# Altium PCB 10515.0500_Display_System（6拼版）_V1.0_20200907.PcbDoc (part 7 of 13)
Units mm, origin at the board's own origin, x right, y up, seen from the top; angles counter-clockwise.
Board outline 157 x 228.4 mm, 4 copper layers (Top Layer, Mid-Layer 1, Mid-Layer 2, Bottom Layer); 516 components, 0 nets, 1971 pads, 894 vias.
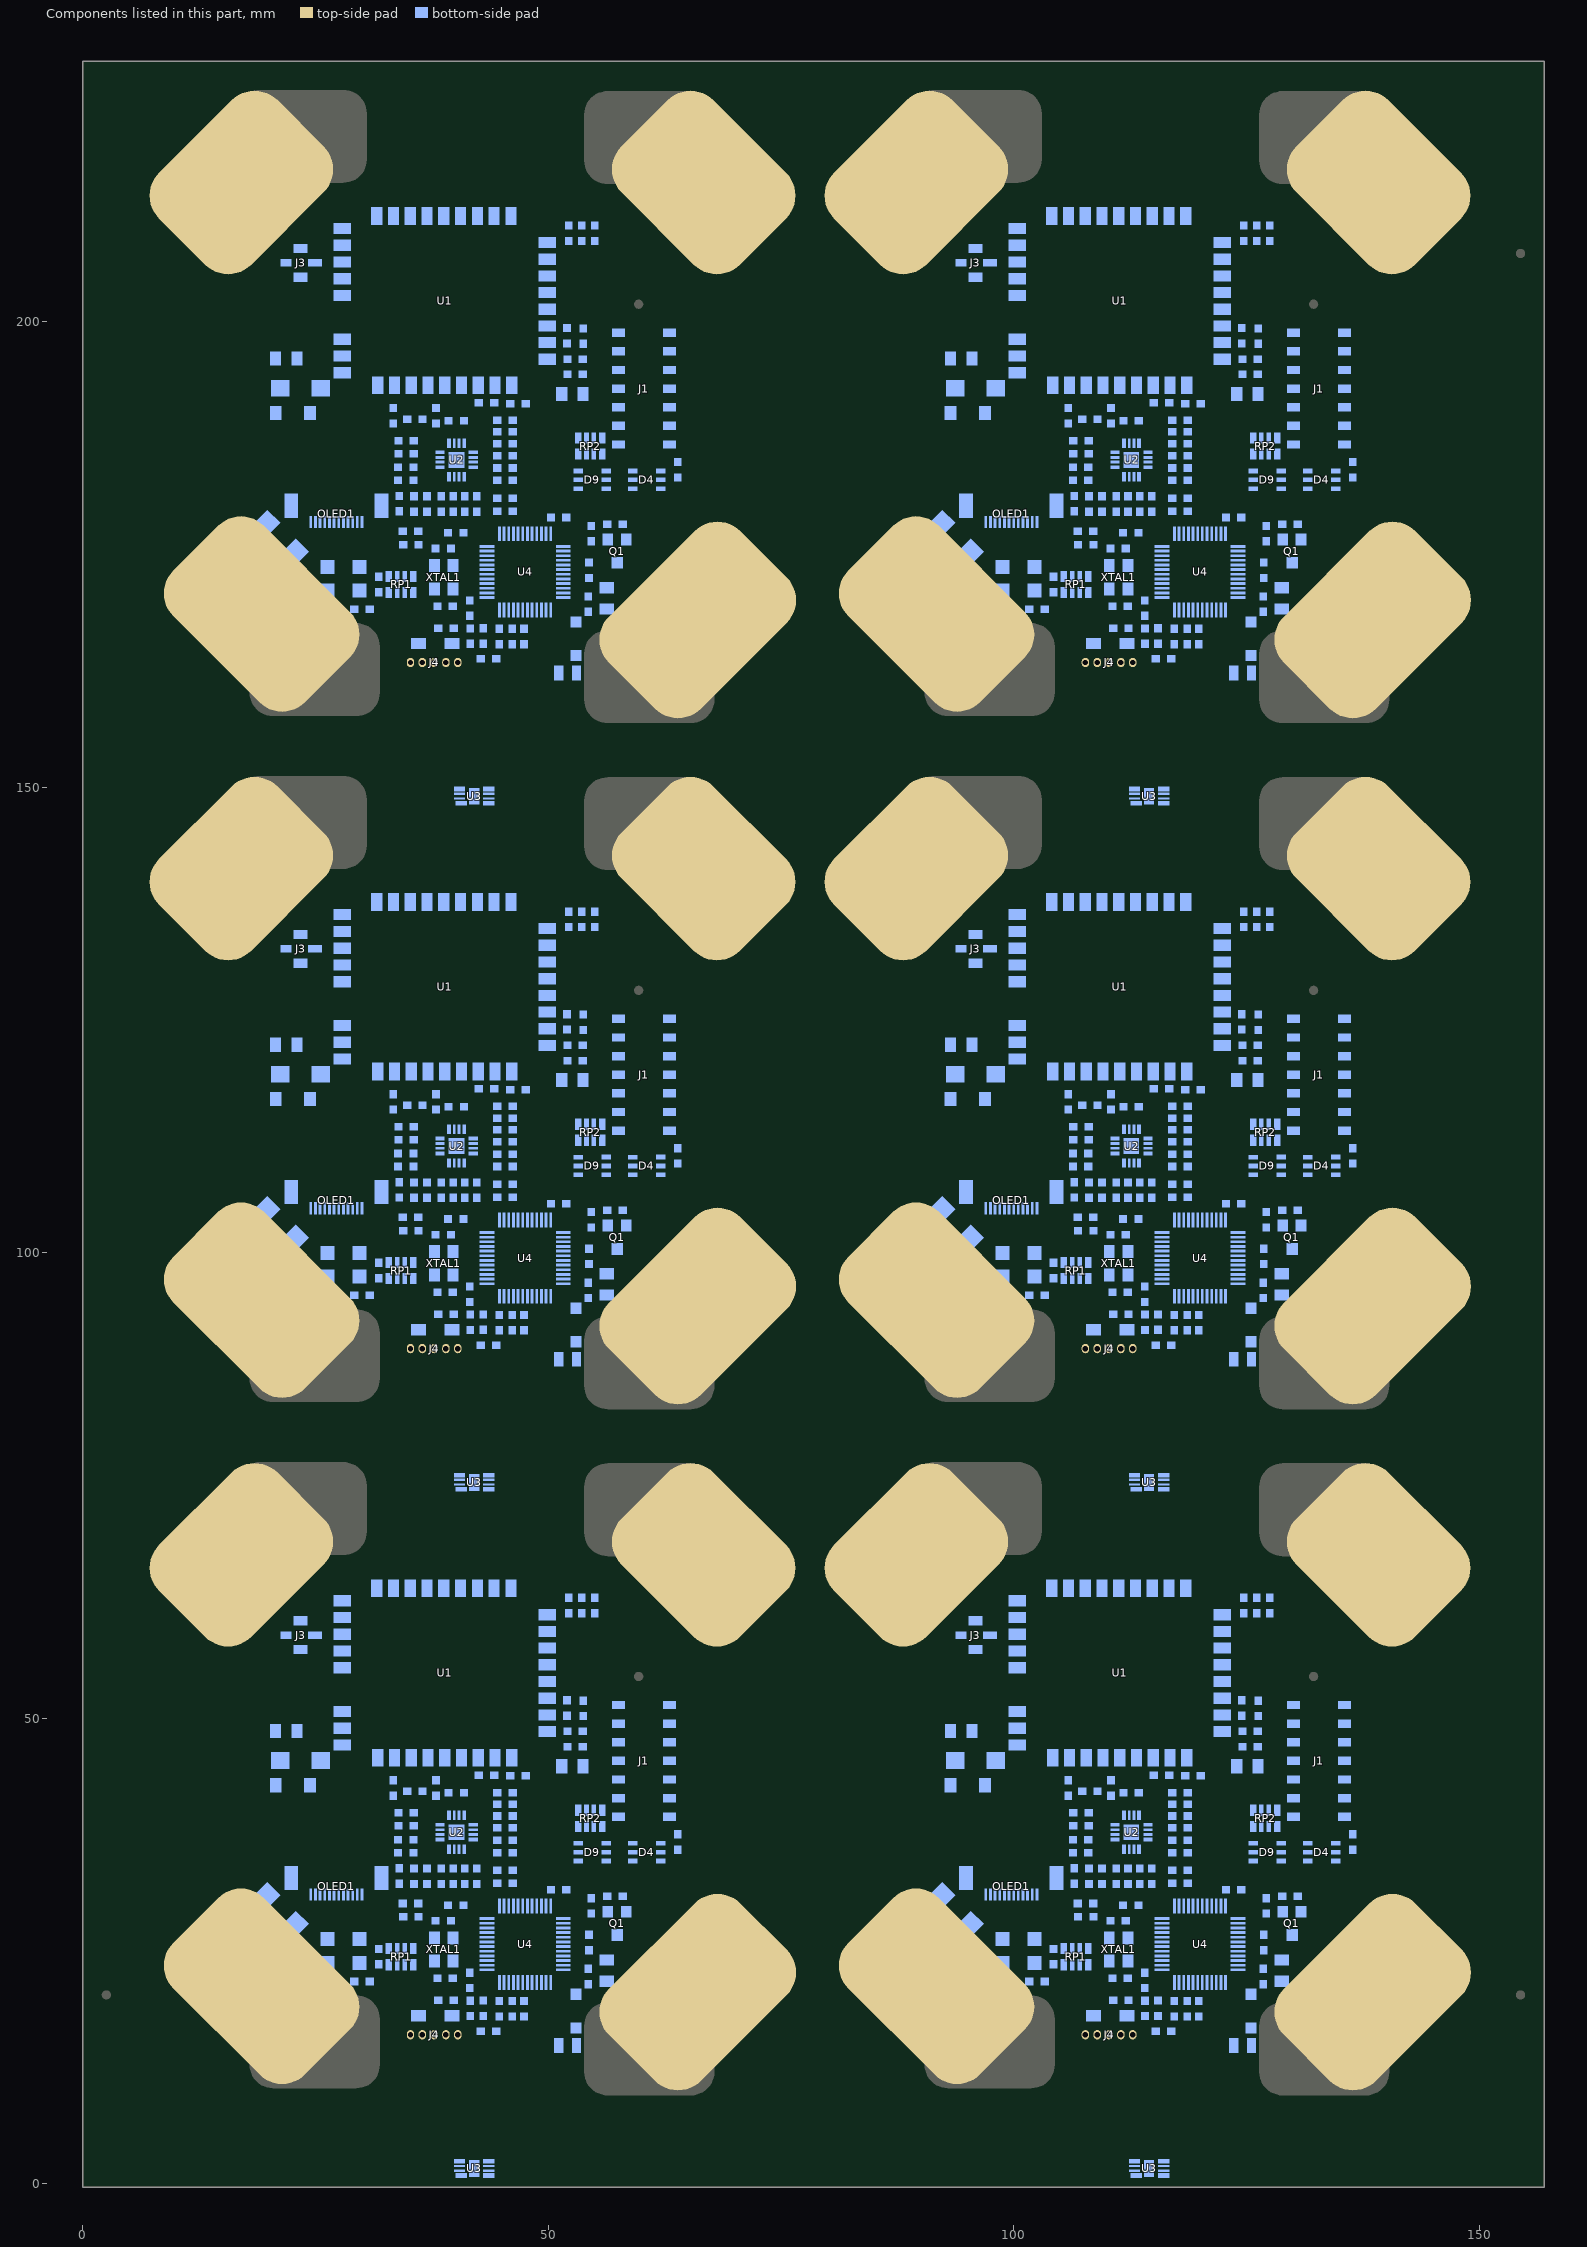
[diagram p9: the components of this part, seen from the top]

## Via types
v1: diameter 0.7, hole 0.4, Top Layer to Bottom Layer, tented both sides, 894 vias

## Nets (pads, with @x,y where several pads share a name; then routed paths per layer and width w, separated by ;. In a path a pad name is that pad's centre, name@x,y a point inside that pad or via, vN(x,y) a via of type N, cw(c..) or ccw(c..) an arc to the next point about the centre after c; other vN are vias at no path point) (continued)
copper on no net: (continued)
  Bottom Layer w0.25: v1(46.391,15.367) 41.369,15.367 41.126,15.124 36.728,15.124 36.485,15.367 ; v1(46.391,89.067) 41.369,89.067 41.126,88.824 36.728,88.824 36.485,89.067 ; v1(46.391,162.767) 41.369,162.767 41.126,162.524 36.728,162.524 36.485,162.767 ; 46.438,39.298 cw(c46.918,38.818) 46.918,39.497 cw(c46.918,40.176) 46.438,39.696 ; 46.438,40.568 cw(c46.918,40.088) 46.918,40.767 cw(c46.918,41.446) 46.438,40.966 ; 46.438,42.213 ccw(c47.476,43.251) 47.476,41.783 ; 46.438,112.998 cw(c46.918,112.518) 46.918,113.197 cw(c46.918,113.876) 46.438,113.396 ; 46.438,114.268 cw(c46.918,113.788) 46.918,114.467 cw(c46.918,115.146) 46.438,114.666 ; 46.438,115.913 ccw(c47.476,116.951) 47.476,115.483 ; 46.438,186.698 cw(c46.918,186.218) 46.918,186.897 cw(c46.918,187.576) 46.438,187.096 ; 46.438,187.968 cw(c46.918,187.488) 46.918,188.167 cw(c46.918,188.846) 46.438,188.366 ; 46.438,189.613 ccw(c47.476,190.651) 47.476,189.183 ; 46.772,21.625 46.772,20.701 47.407,20.066 47.407,19.621 ; 46.772,95.325 46.772,94.401 47.407,93.766 47.407,93.321 ; 46.772,169.025 46.772,168.101 47.407,167.466 47.407,167.021 ; 47.066,20.407 cw(c46.319,19.66) 47.376,19.66 ; 47.066,94.107 cw(c46.319,93.36) 47.376,93.36 ; 47.066,167.807 cw(c46.319,167.06) 47.376,167.06 ; v1@47.361,31.449 cw(c46.977,31.065) 47.52,31.065 ; v1@47.361,105.149 cw(c46.977,104.765) 47.52,104.765 ; v1@47.361,178.849 cw(c46.977,178.465) 47.52,178.465 ; 47.437,43.616 cw(c46.624,42.803) v1@47.774,42.803 ; 47.437,117.316 cw(c46.624,116.503) v1@47.774,116.503 ; 47.437,191.016 cw(c46.624,190.203) v1@47.774,190.203 ; v1(47.52,31.608) 47.52,31.065 ; v1(47.52,105.308) 47.52,104.765 ; v1(47.52,179.008) 47.52,178.465 ; 47.598,43.815 47.774,43.639 v1(47.774,42.545) ; 47.598,117.515 47.774,117.339 v1(47.774,116.245) ; 47.598,191.215 47.774,191.039 v1(47.774,189.945) ; v1@47.615,42.704 ccw(c47.23,43.088) 47.774,43.088 ccw(c48.317,43.088) v1@47.933,42.704 ; 47.614,43.793 cw(c47.227,43.407) 47.774,43.407 ; v1@47.615,116.404 ccw(c47.23,116.788) 47.774,116.788 ccw(c48.317,116.788) v1@47.933,116.404 ; 47.614,117.493 cw(c47.227,117.107) 47.774,117.107 ; v1@47.615,190.104 ccw(c47.23,190.488) 47.774,190.488 ccw(c48.317,190.488) v1@47.933,190.104 ; 47.614,191.193 cw(c47.227,190.807) 47.774,190.807 ; v1@47.679,31.449 ccw(c48.063,31.065) 47.52,31.065 ; v1@47.679,105.149 ccw(c48.063,104.765) 47.52,104.765 ; v1@47.679,178.849 ccw(c48.063,178.465) 47.52,178.465 ; 47.774,29.823 47.774,30.811 47.52,31.065 ; 47.774,103.523 47.774,104.511 47.52,104.765 ; 47.774,177.223 47.774,178.211 47.52,178.465 ; v1@48.699,23.473 51.624,23.473 53.93,23.473 54.315,23.089 54.494,23.089 v1(55.281,23.876) ; v1@48.699,97.173 51.624,97.173 53.93,97.173 54.315,96.789 54.494,96.789 v1(55.281,97.576) ; v1@48.699,170.873 51.624,170.873 53.93,170.873 54.315,170.489 54.494,170.489 v1(55.281,171.276) ; v1@48.836,23.336 cw(c49.168,23.004) 49.168,23.473 ; v1@48.836,23.654 ccw(c49.273,24.09) 49.273,23.473 ; v1@48.836,97.036 cw(c49.168,96.704) 49.168,97.173 ; v1@48.836,97.354 ccw(c49.273,97.79) 49.273,97.173 ; v1@48.836,170.736 cw(c49.168,170.404) 49.168,170.873 ; v1@48.836,171.054 ccw(c49.273,171.49) 49.273,170.873 ; 49.774,29.823 49.774,31.171 50.303,31.7 ; 49.774,103.523 49.774,104.871 50.303,105.4 ; 49.774,177.223 49.774,178.571 50.303,179.1 ; 49.898,52.15 50.13,51.918 ; 49.898,125.85 50.13,125.618 ; 49.898,199.55 50.13,199.318 ; 50.274,17.83 ccw(c51.267,17.83) v1@50.565,17.127 ; 50.274,18.433 ccw(c51.871,18.433) v1@50.741,17.304 ; 50.274,21.623 50.274,17.454 v1(50.582,17.145) ; 50.274,29.823 50.274,30.425 50.455,30.607 51.344,30.607 51.954,31.217 51.954,31.7 ; 50.274,91.53 ccw(c51.267,91.53) v1@50.565,90.827 ; 50.274,92.133 ccw(c51.871,92.133) v1@50.741,91.004 ; 50.274,95.323 50.274,91.154 v1(50.582,90.845) ; 50.274,103.523 50.274,104.125 50.455,104.307 51.344,104.307 51.954,104.917 51.954,105.4 ; 50.274,165.23 ccw(c51.267,165.23) v1@50.565,164.527 ; 50.274,165.833 ccw(c51.871,165.833) v1@50.741,164.704 ; 50.274,169.023 50.274,164.854 v1(50.582,164.545) ; 50.274,177.223 50.274,177.825 50.455,178.007 51.344,178.007 51.954,178.617 51.954,179.1 ; 50.291,30.456 cw(c50.657,30.091) 50.657,30.607 ; 50.291,104.156 cw(c50.657,103.791) 50.657,104.307 ; 50.291,177.856 cw(c50.657,177.491) 50.657,178.007 ; v1@50.357,38.989 ccw(c49.814,38.989) 50.198,39.373 ccw(c50.582,39.757) v1@50.582,39.214 ; v1@50.357,112.689 ccw(c49.814,112.689) 50.198,113.073 ccw(c50.582,113.457) v1@50.582,112.914 ; v1@50.357,186.389 ccw(c49.814,186.389) 50.198,186.773 ccw(c50.582,187.157) v1@50.582,186.614 ; 51.542,30.804 ccw(c51.13,31.216) 51.66,31.456 ; 51.542,104.504 ccw(c51.13,104.916) 51.66,105.156 ; 51.542,178.204 ccw(c51.13,178.616) 51.66,178.856 ; 51.624,23.973 53.537,23.973 54.392,24.828 54.392,25.082 ; 51.624,24.973 52.914,24.973 v1(53.122,24.765) ; 51.624,25.473 53.069,25.473 53.503,25.908 v1(53.503,29.337) v1@53.503,29.464 ; 51.624,25.973 52.738,25.973 53.053,26.289 53.053,28.771 52.614,29.21 v1(52.614,30.226) ; 51.624,97.673 53.537,97.673 54.392,98.528 54.392,98.782 ; 51.624,98.673 52.914,98.673 v1(53.122,98.465) ; 51.624,99.173 53.069,99.173 53.503,99.608 v1(53.503,103.037) v1@53.503,103.164 ; 51.624,99.673 52.738,99.673 53.053,99.989 53.053,102.471 52.614,102.91 v1(52.614,103.926) ; 51.624,171.373 53.537,171.373 54.392,172.228 54.392,172.482 ; 51.624,172.373 52.914,172.373 v1(53.122,172.165) ; 51.624,172.873 53.069,172.873 53.503,173.308 v1(53.503,176.737) v1@53.503,176.864 ; 51.624,173.373 52.738,173.373 53.053,173.689 53.053,176.171 52.614,176.61 v1(52.614,177.626) ; v1@51.627,42.418 cw(c51.084,42.418) 51.468,42.034 cw(c51.852,41.65) v1@51.852,42.193 ; v1@51.627,116.118 cw(c51.084,116.118) 51.468,115.734 cw(c51.852,115.35) v1@51.852,115.893 ; v1@51.627,189.818 cw(c51.084,189.818) 51.468,189.434 cw(c51.852,189.05) v1@51.852,189.593 ; v1@51.693,54.642 ccw(c51.309,55.026) 51.852,55.026 ccw(c52.395,55.026) v1@52.011,54.642 ; v1@51.693,128.342 ccw(c51.309,128.726) 51.852,128.726 ccw(c52.395,128.726) v1@52.011,128.342 ; v1@51.693,202.042 ccw(c51.309,202.426) 51.852,202.426 ccw(c52.395,202.426) v1@52.011,202.042 ; 51.797,31.059 ccw(c51.481,31.375) 51.887,31.56 ; 51.797,104.759 ccw(c51.481,105.075) 51.887,105.26 ; 51.797,178.459 ccw(c51.481,178.775) 51.887,178.96 ; 52.016,31.552 cw(c52.448,31.178) 52.448,31.75 ; 52.016,105.252 cw(c52.448,104.878) 52.448,105.45 ; 52.016,178.952 cw(c52.448,178.578) 52.448,179.15 ; 52.029,51.918 53.719,51.918 53.757,51.879 ; 52.029,125.618 53.719,125.618 53.757,125.579 ; 52.029,199.318 53.719,199.318 53.757,199.279 ; 52.205,31.389 cw(c52.995,30.704) 52.995,31.75 52.233,31.75 ; 52.205,105.089 cw(c52.995,104.404) 52.995,105.45 52.233,105.45 ; 52.205,178.789 cw(c52.995,178.104) 52.995,179.15 52.233,179.15 ; 52.228,51.719 cw(c52.709,51.238) 52.709,51.918 cw(c52.709,52.597) 52.228,52.117 ; 52.228,125.419 cw(c52.709,124.938) 52.709,125.618 cw(c52.709,126.297) 52.228,125.817 ; 52.228,199.119 cw(c52.709,198.638) 52.709,199.318 cw(c52.709,199.997) 52.228,199.517 ; 52.247,22.973 51.624,22.973 53.136,22.973 53.376,22.733 53.376,21.844 53.63,21.59 ; 52.247,96.673 51.624,96.673 53.136,96.673 53.376,96.433 53.376,95.544 53.63,95.29 ; 52.247,170.373 51.624,170.373 53.136,170.373 53.376,170.133 53.376,169.244 53.63,168.99 ; v1@52.389,41.529 cw(c51.846,41.529) 52.23,41.145 cw(c52.614,40.761) v1@52.614,41.304 ; v1@52.389,115.229 cw(c51.846,115.229) 52.23,114.845 cw(c52.614,114.461) v1@52.614,115.004 ; v1@52.389,188.929 cw(c51.846,188.929) 52.23,188.545 cw(c52.614,188.161) v1@52.614,188.704 ; v1@52.455,30.067 cw(c52.071,29.683) 52.614,29.683 cw(c53.157,29.683) v1@52.773,30.067 ; v1@52.455,103.767 cw(c52.071,103.383) 52.614,103.383 cw(c53.157,103.383) v1@52.773,103.767 ; v1@52.455,177.467 cw(c52.071,177.083) 52.614,177.083 cw(c53.157,177.083) v1@52.773,177.467 ; v1(52.487,56.134) 54.519,56.134 55.027,56.642 55.027,61.277 ; v1(52.487,129.834) 54.519,129.834 55.027,130.342 55.027,134.977 ; v1(52.487,203.534) 54.519,203.534 55.027,204.042 55.027,208.677 ; v1@52.646,55.975 cw(c53.03,55.591) 53.03,56.134 cw(c53.03,56.677) v1@52.646,56.293 ; v1@52.646,129.675 cw(c53.03,129.291) 53.03,129.834 cw(c53.03,130.377) v1@52.646,129.993 ; v1@52.646,203.375 cw(c53.03,202.991) 53.03,203.534 cw(c53.03,204.077) v1@52.646,203.693 ; 52.799,23.473 cw(c52.799,21.61) 54.116,22.928 ; 52.799,97.173 cw(c52.799,95.31) 54.116,96.628 ; 52.799,170.873 cw(c52.799,169.01) 54.116,170.328 ; v1@52.836,31.591 ccw(c52.452,31.207) 52.452,31.75 ccw(c52.452,32.293) v1@52.836,31.909 ; v1@52.836,105.291 ccw(c52.452,104.907) 52.452,105.45 ccw(c52.452,105.993) v1@52.836,105.609 ; v1@52.836,178.991 ccw(c52.452,178.607) 52.452,179.15 ccw(c52.452,179.693) v1@52.836,179.309 ; v1@52.851,54.501 cw(c53.325,54.027) 53.325,54.697 ; v1@52.851,128.201 cw(c53.325,127.727) 53.325,128.397 ; v1@52.851,201.901 cw(c53.325,201.427) 53.325,202.097 ; v1(52.868,54.483) 53.082,54.697 56.892,54.697 57.44,55.245 57.44,65.151 57.821,65.532 66.33,65.532 66.965,66.167 ; v1(52.868,128.183) 53.082,128.397 56.892,128.397 57.44,128.945 57.44,138.851 57.821,139.232 66.33,139.232 66.965,139.867 ; v1(52.868,201.883) 53.082,202.097 56.892,202.097 57.44,202.645 57.44,212.551 57.821,212.932 66.33,212.932 66.965,213.567 ; v1@53.027,54.324 cw(c53.928,53.423) 53.928,54.697 ; v1@53.027,128.024 cw(c53.928,127.123) 53.928,128.397 ; v1@53.027,201.724 cw(c53.928,200.823) 53.928,202.097 ; 53.06,37.969 cw(c52.676,37.585) 53.219,37.585 cw(c53.762,37.585) 53.378,37.969 ; 53.06,111.669 cw(c52.676,111.285) 53.219,111.285 cw(c53.762,111.285) 53.378,111.669 ; 53.06,185.369 cw(c52.676,184.985) 53.219,184.985 cw(c53.762,184.985) 53.378,185.369 ; v1@53.217,57.055 ccw(c52.22,58.052) 53.63,58.052 ; v1@53.217,130.755 ccw(c52.22,131.752) 53.63,131.752 ; v1@53.217,204.455 ccw(c52.22,205.452) 53.63,205.452 ; 53.219,36.945 ccw(c53.623,36.945) 53.338,36.659 ; 53.219,38.124 53.219,36.601 53.249,36.571 ; 53.219,110.645 ccw(c53.623,110.645) 53.338,110.359 ; 53.219,111.824 53.219,110.301 53.249,110.271 ; 53.219,184.345 ccw(c53.623,184.345) 53.338,184.059 ; 53.219,185.524 53.219,184.001 53.249,183.971 ; v1@53.344,29.178 cw(c52.96,28.794) 53.503,28.794 cw(c54.046,28.794) v1@53.662,29.178 ; v1@53.344,102.878 cw(c52.96,102.494) 53.503,102.494 cw(c54.046,102.494) v1@53.662,102.878 ; v1@53.344,176.578 cw(c52.96,176.194) 53.503,176.194 cw(c54.046,176.194) v1@53.662,176.578 ; v1(53.376,56.896) 53.63,57.15 53.63,61.277 ; v1(53.376,130.596) 53.63,130.85 53.63,134.977 ; v1(53.376,204.296) 53.63,204.55 53.63,208.677 ; v1@53.394,56.878 ccw(c52.823,57.449) 53.63,57.449 ; v1@53.394,130.578 ccw(c52.823,131.149) 53.63,131.149 ; v1@53.394,204.278 ccw(c52.823,204.849) 53.63,204.849 ; 53.402,23.473 cw(c53.402,22.214) 54.293,23.104 ; 53.402,97.173 cw(c53.402,95.914) 54.293,96.804 ; 53.402,170.873 cw(c53.402,169.614) 54.293,170.504 ; 53.431,61.04 cw(c52.951,60.56) 53.63,60.56 cw(c54.31,60.56) 53.829,61.04 ; 53.431,63.166 ccw(c52.951,63.646) 53.63,63.646 ccw(c54.31,63.646) 53.829,63.166 ; 53.431,134.74 cw(c52.951,134.26) 53.63,134.26 cw(c54.31,134.26) 53.829,134.74 ; 53.431,136.866 ccw(c52.951,137.346) 53.63,137.346 ccw(c54.31,137.346) 53.829,136.866 ; 53.431,208.44 cw(c52.951,207.96) 53.63,207.96 cw(c54.31,207.96) 53.829,208.44 ; 53.431,210.566 ccw(c52.951,211.046) 53.63,211.046 ccw(c54.31,211.046) 53.829,210.566 ; 53.558,51.719 ccw(c53.078,51.238) 53.078,51.918 ccw(c53.078,52.597) 53.558,52.117 ; 53.558,125.419 ccw(c53.078,124.938) 53.078,125.618 ccw(c53.078,126.297) 53.558,125.817 ; 53.558,199.119 ccw(c53.078,198.638) 53.078,199.318 ccw(c53.078,199.997) 53.558,199.517 ; 53.63,62.928 53.63,65.024 53.122,65.532 44.74,65.532 ; 53.63,136.628 53.63,138.724 53.122,139.232 44.74,139.232 ; 53.63,210.328 53.63,212.424 53.122,212.932 44.74,212.932 ; 53.732,46.94 53.747,46.925 ; 53.732,48.591 53.757,48.616 ; 53.732,120.64 53.747,120.625 ; 53.732,122.291 53.757,122.316 ; 53.732,194.34 53.747,194.325 ; 53.732,195.991 53.757,196.016 ; 53.747,44.841 53.747,45.085 ; 53.747,118.541 53.747,118.785 ; 53.747,192.241 53.747,192.485 ; 53.759,24.195 ccw(c52.91,25.044) 54.111,25.044 ; 53.759,97.895 ccw(c52.91,98.744) 54.111,98.744 ; 53.759,171.595 ccw(c52.91,172.444) 54.111,172.444 ; 53.912,21.59 ccw(c53.912,21.879) 54.116,21.675 ; 53.912,95.29 ccw(c53.912,95.579) 54.116,95.375 ; 53.912,168.99 ccw(c53.912,169.279) 54.116,169.075 ; 54.006,23.473 cw(c54.006,22.817) 54.47,23.281 ; 54.006,97.173 cw(c54.006,96.517) 54.47,96.981 ; 54.006,170.873 cw(c54.006,170.217) 54.47,170.681 ; 54.071,21.335 ccw(c53.63,21.081) 53.63,21.59 ; 54.071,95.035 ccw(c53.63,94.781) 53.63,95.29 ; 54.071,168.735 ccw(c53.63,168.481) 53.63,168.99 ; 54.138,21.59 53.63,21.59 ; 54.138,95.29 53.63,95.29 ; 54.138,168.99 53.63,168.99 ; 54.186,24.622 ccw(c53.764,25.044) 54.361,25.044 ; 54.186,98.322 ccw(c53.764,98.744) 54.361,98.744 ; 54.186,172.022 ccw(c53.764,172.444) 54.361,172.444 ; 54.315,23.158 ccw(c54.315,23.757) 54.739,23.334 ; 54.315,23.408 ccw(c54.315,24.611) v1@55.166,23.76 ; 54.315,96.858 ccw(c54.315,97.457) 54.739,97.034 ; 54.315,97.108 ccw(c54.315,98.311) v1@55.166,97.46 ; 54.315,170.558 ccw(c54.315,171.157) 54.739,170.734 ; 54.315,170.808 ccw(c54.315,172.011) v1@55.166,171.16 ; v1@54.36,28.099 ccw(c53.669,28.79) 54.646,28.79 ; v1@54.36,101.799 ccw(c53.669,102.49) 54.646,102.49 ; v1@54.36,175.499 ccw(c53.669,176.19) 54.646,176.19 ; 54.392,26.733 54.456,26.797 v1(55.408,26.797) ; 54.392,100.433 54.456,100.497 v1(55.408,100.497) ; 54.392,174.133 54.456,174.197 v1(55.408,174.197) ; 54.447,28.782 cw(c53.967,28.302) 54.646,28.302 cw(c55.326,28.302) 54.845,28.782 ; 54.447,102.482 cw(c53.967,102.002) 54.646,102.002 cw(c55.326,102.002) 54.845,102.482 ; 54.447,176.182 cw(c53.967,175.702) 54.646,175.702 cw(c55.326,175.702) 54.845,176.182 ; v1(54.519,27.94) 54.646,28.067 54.646,29.019 ; v1(54.519,101.64) 54.646,101.767 54.646,102.719 ; v1(54.519,175.34) 54.646,175.467 54.646,176.419 ; 54.591,26.573 cw(c55.133,26.031) v1@55.133,26.797 ; 54.591,26.971 ccw(c55.01,27.39) 55.01,26.797 ; 54.591,100.273 cw(c55.133,99.731) v1@55.133,100.497 ; 54.591,100.671 ccw(c55.01,101.09) 55.01,100.497 ; 54.591,173.973 cw(c55.133,173.431) v1@55.133,174.197 ; 54.591,174.371 ccw(c55.01,174.79) 55.01,174.197 ; 54.828,61.04 cw(c54.348,60.56) 55.027,60.56 cw(c55.707,60.56) 55.226,61.04 ; 54.828,63.166 ccw(c54.348,63.646) 55.027,63.646 ccw(c55.707,63.646) 55.226,63.166 ; 54.828,134.74 cw(c54.348,134.26) 55.027,134.26 cw(c55.707,134.26) 55.226,134.74 ; 54.828,136.866 ccw(c54.348,137.346) 55.027,137.346 ccw(c55.707,137.346) 55.226,136.866 ; 54.828,208.44 cw(c54.348,207.96) 55.027,207.96 cw(c55.707,207.96) 55.226,208.44 ; 54.828,210.566 ccw(c54.348,211.046) 55.027,211.046 ccw(c55.707,211.046) 55.226,210.566 ; 55.027,62.928 55.027,64.897 53.884,66.04 43.343,66.04 42.398,65.095 ; 55.027,136.628 55.027,138.597 53.884,139.74 43.343,139.74 42.398,138.795 ; 55.027,210.328 55.027,212.297 53.884,213.44 43.343,213.44 42.398,212.495 ; v1@55.056,23.876 cw(c54.513,23.876) 54.897,23.492 cw(c55.281,23.108) v1@55.281,23.651 ; v1@55.056,97.576 cw(c54.513,97.576) 54.897,97.192 cw(c55.281,96.808) v1@55.281,97.351 ; v1@55.056,171.276 cw(c54.513,171.276) 54.897,170.892 cw(c55.281,170.508) v1@55.281,171.051 ; v1@55.249,26.638 ccw(c54.865,26.254) 54.865,26.797 ccw(c54.865,27.34) v1@55.249,26.956 ; v1@55.249,100.338 ccw(c54.865,99.954) 54.865,100.497 ccw(c54.865,101.04) v1@55.249,100.656 ; v1@55.249,174.038 ccw(c54.865,173.654) 54.865,174.197 ccw(c54.865,174.74) v1@55.249,174.356 ; 56.424,67.31 56.805,66.929 ; 56.424,141.01 56.805,140.629 ; 56.424,214.71 56.805,214.329 ; v1(56.551,55.372) 56.805,55.626 56.805,66.929 ; v1(56.551,129.072) 56.805,129.326 56.805,140.629 ; v1(56.551,202.772) 56.805,203.026 56.805,214.329 ; v1@56.569,55.354 ccw(c55.998,55.925) 56.805,55.925 ; v1@56.569,129.054 ccw(c55.998,129.625) 56.805,129.625 ; v1@56.569,202.754 ccw(c55.998,203.325) 56.805,203.325 ; 56.628,21.91 ccw(c57.094,22.375) 57.094,21.717 ; 56.628,95.61 ccw(c57.094,96.075) 57.094,95.417 ; 56.628,169.31 ccw(c57.094,169.775) 57.094,169.117 ; 56.643,21.607 cw(c57.416,20.966) v1@57.416,21.971 ; 56.643,95.307 cw(c57.416,94.666) v1@57.416,95.671 ; 56.643,169.007 cw(c57.416,168.366) v1@57.416,169.371 ; 56.647,21.613 cw(c57.248,21.148) 57.248,21.907 ; 56.647,95.313 cw(c57.248,94.848) 57.248,95.607 ; 56.647,169.013 cw(c57.248,168.548) 57.248,169.307 ; v1@56.678,55.372 56.678,66.929 ; 56.678,56.222 cw(c55.701,56.222) 56.392,55.531 ccw(c55.395,56.528) 56.805,56.528 ; 56.678,66.802 56.17,67.31 ; v1@56.678,129.072 56.678,140.629 ; 56.678,129.922 cw(c55.701,129.922) 56.392,129.231 ccw(c55.395,130.228) 56.805,130.228 ; 56.678,140.502 56.17,141.01 ; v1@56.678,202.772 56.678,214.329 ; 56.678,203.622 cw(c55.701,203.622) 56.392,202.931 ccw(c55.395,203.928) 56.805,203.928 ; 56.678,214.202 56.17,214.71 ; 56.805,21.415 cw(c57.535,20.685) 57.535,21.717 ; 56.805,95.115 cw(c57.535,94.385) 57.535,95.417 ; 56.805,168.815 cw(c57.535,168.085) 57.535,169.117 ; 56.835,21.448 cw(c57.948,20.526) 57.948,21.971 ; 56.835,95.148 cw(c57.948,94.226) 57.948,95.671 ; 56.835,168.848 cw(c57.948,167.926) 57.948,169.371 ; 56.845,21.46 cw(c57.758,20.753) 57.758,21.907 ; 56.845,95.16 cw(c57.758,94.453) 57.758,95.607 ; 56.845,168.86 cw(c57.758,168.153) 57.758,169.307 ; 56.873,21.717 57.948,21.717 ; 56.873,95.417 57.948,95.417 ; 56.873,169.117 57.948,169.117 ; 57.084,21.971 cw(c57.084,22.366) 56.805,22.087 ; 57.084,95.671 cw(c57.084,96.066) 56.805,95.787 ; 57.084,169.371 cw(c57.084,169.766) 56.805,169.487 ; 57.108,21.971 57.948,21.971 ; 57.108,95.671 57.948,95.671 ; 57.108,169.371 57.948,169.371 ; 57.186,67.31 56.805,66.929 ; 57.186,141.01 56.805,140.629 ; 57.186,214.71 56.805,214.329 ; 57.237,21.907 cw(c57.237,22.519) 56.805,22.087 ; 57.237,95.607 cw(c57.237,96.219) 56.805,95.787 ; 57.237,169.307 cw(c57.237,169.919) 56.805,169.487 ; 57.259,21.907 ccw(c57.259,22.241) v1@57.592,22.224 ; 57.259,95.607 ccw(c57.259,95.941) v1@57.592,95.924 ; 57.259,169.307 ccw(c57.259,169.641) v1@57.592,169.624 ; v1@57.343,22.237 cw(c56.996,22.255) 56.996,21.907 57.758,21.907 ; v1@57.343,95.937 cw(c56.996,95.955) 56.996,95.607 57.758,95.607 ; v1@57.343,169.637 cw(c56.996,169.655) 56.996,169.307 57.758,169.307 ; v1@57.459,22.536 cw(c57.357,22.352) v1@57.567,22.352 ; v1@57.459,96.236 cw(c57.357,96.052) v1@57.567,96.052 ; v1@57.459,169.936 cw(c57.357,169.752) v1@57.567,169.752 ; v1@57.544,22.743 ccw(c57.914,22.578) v1@57.628,22.291 ; v1@57.544,96.443 ccw(c57.914,96.278) v1@57.628,95.991 ; v1@57.544,170.143 ccw(c57.914,169.978) v1@57.628,169.691 ; v1@57.568,22.25 cw(c57.55,21.852) 57.948,21.852 ; v1@57.568,95.95 cw(c57.55,95.552) 57.948,95.552 ; v1@57.568,169.65 cw(c57.55,169.252) 57.948,169.252 ; v1@57.628,22.008 cw(c57.734,21.629) 58.012,21.908 ; v1@57.628,95.708 cw(c57.734,95.329) 58.012,95.608 ; v1@57.628,169.408 cw(c57.734,169.029) 58.012,169.308 ; v1@57.676,22.536 ccw(c57.777,22.352) v1@57.567,22.352 ; v1@57.676,96.236 ccw(c57.777,96.052) v1@57.567,96.052 ; v1@57.676,169.936 ccw(c57.777,169.752) v1@57.567,169.752 ; 57.697,21.717 cw(c57.697,22.979) 56.805,22.087 ; 57.697,95.417 cw(c57.697,96.679) 56.805,95.787 ; 57.697,169.117 cw(c57.697,170.379) 56.805,169.487 ; v1@57.773,22.641 ccw(c58.27,22.419) 57.885,22.035 ; v1@57.773,96.341 ccw(c58.27,96.119) 57.885,95.735 ; v1@57.773,170.041 ccw(c58.27,169.819) 57.885,169.435 ; v1@57.792,22.225 ccw(c58.642,22.225) 58.041,21.624 ; v1@57.792,95.925 ccw(c58.642,95.925) 58.041,95.324 ; v1@57.792,169.625 ccw(c58.642,169.625) 58.041,169.024 ; v1@59.091,31.525 cw(c59.091,30.982) 59.475,31.366 cw(c59.859,31.75) v1@59.316,31.75 ; v1(59.091,31.75) 59.599,31.242 59.599,23.876 59.853,23.622 66.584,23.622 66.965,23.241 66.965,21.59 ; v1@59.091,105.225 cw(c59.091,104.682) 59.475,105.066 cw(c59.859,105.45) v1@59.316,105.45 ; v1(59.091,105.45) 59.599,104.942 59.599,97.576 59.853,97.322 66.584,97.322 66.965,96.941 66.965,95.29 ; v1@59.091,178.925 cw(c59.091,178.382) 59.475,178.766 cw(c59.859,179.15) v1@59.316,179.15 ; v1(59.091,179.15) 59.599,178.642 59.599,171.276 59.853,171.022 66.584,171.022 66.965,170.641 66.965,168.99 ; 63.049,21.102 ccw(c62.178,20.232) 